# KiCad board TwoTailed.kicad_pcb (continued)
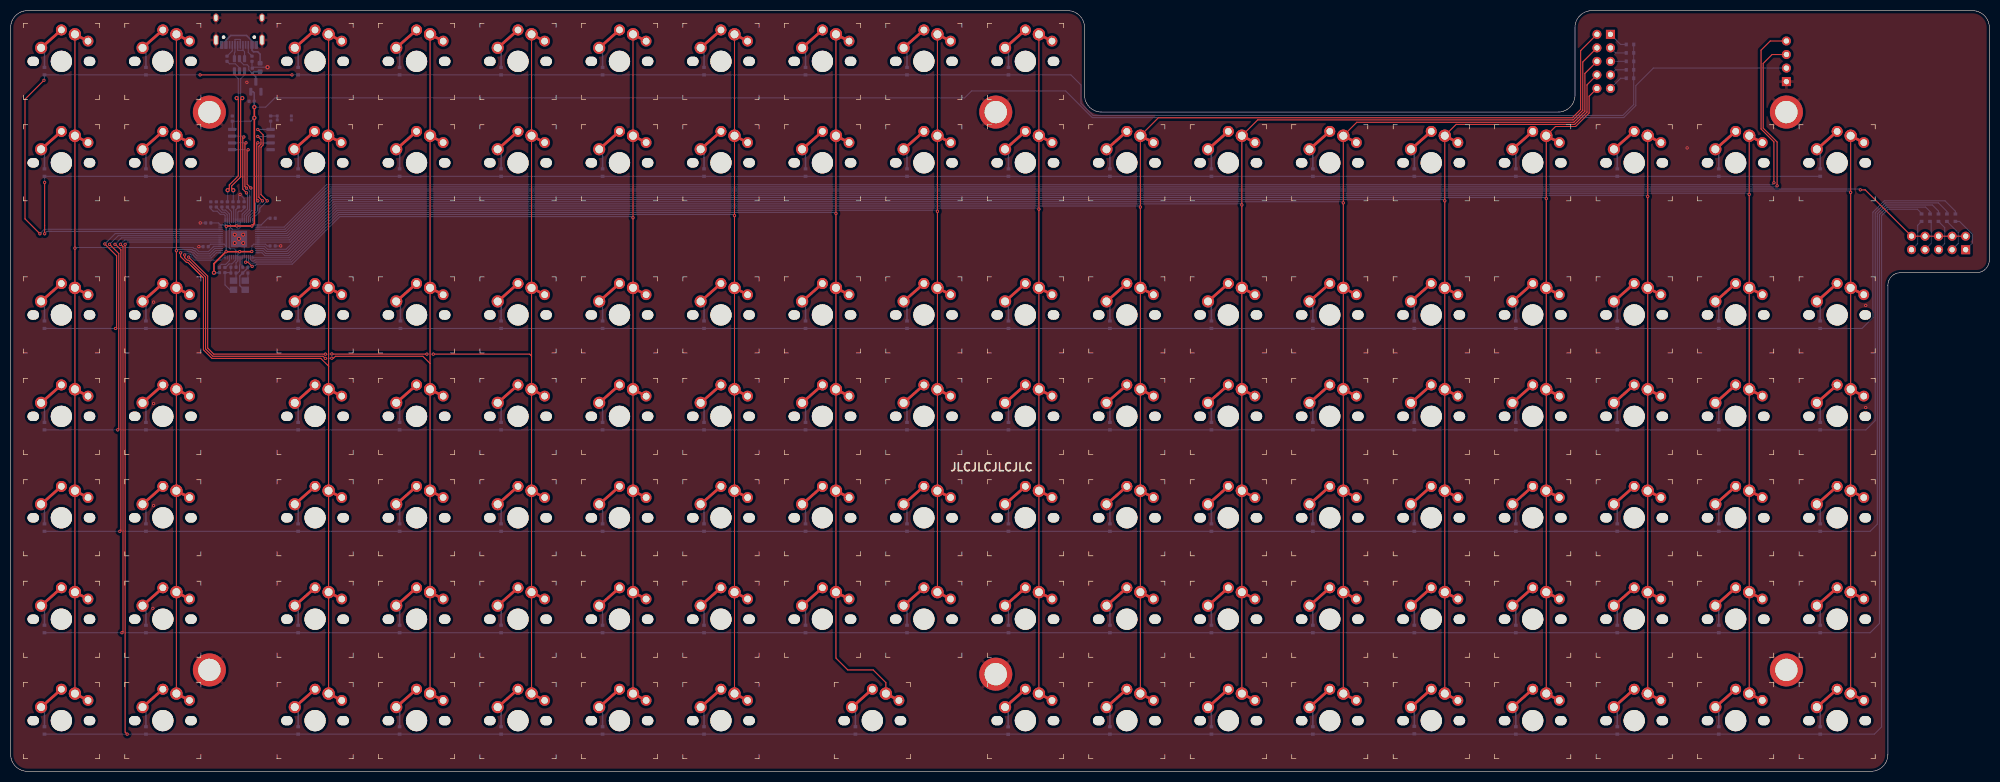
[diagram p0: board, top side]
## Nets
+1V1: C1.1 C2.1 U0.23 U0.45 U0.50
+3V3: C3.1 C4.1 C5.1 C6.1 C7.1 C8.1 C9.1 C10.1 C11.1 CF1.1 CP2.2 J2.2 RR1.1 U0.1 U0.10 U0.22 U0.33 U0.42 U0.43 U0.44 U0.48 U0.49 U1.2 U3.8
+5v: F1.1 J1.A4 J1.A9 J1.B4 J1.B9
GND: C1.2 C2.2 C3.2 C4.2 C5.2 C6.2 C7.2 C8.2 C9.2 C10.2 C11.2 CF1.2 CP1.1 CP2.1 CX1.2 CX2.1 H1.1 H2.1 H3.1 H4.1 H5.1 H6.1 J1.A1 J1.A12 J1.B1 J1.B12 J1.S1 J2.1 RC1.1 RC2.2 S1.1 U0.19 U0.57 U1.1 U2.2 U3.4 Y1.2 Y1.4
VBUS: CP1.2 F1.2 U1.3 U2.5
0: J2.4 U0.2
1: J2.3 U0.3
2: JT2.2 JT2.4 JT2.6 JT2.8 JT2.10 U0.4
3: K28.1 K46.1 K64.1 K82.1 K100.1 K117.1 U0.5
4: K27.1 K45.1 K63.1 K81.1 K99.1 K116.1 U0.6
5: K26.1 K44.1 K62.1 K80.1 K98.1 K115.1 U0.7
6: JT1.10 K25.1 K43.1 K61.1 K79.1 K97.1 K114.1 U0.8
7: JT1.8 K24.1 K42.1 K60.1 K78.1 K96.1 K113.1 U0.9
8: JT1.6 K23.1 K41.1 K59.1 K77.1 K95.1 K112.1 U0.11
9: JT1.4 K22.1 K40.1 K58.1 K76.1 K94.1 K111.1 U0.12
10: JT1.2 K21.1 K39.1 K57.1 K75.1 K93.1 K110.1 U0.13
11: K10.1 K20.1 K38.1 K56.1 K74.1 K92.1 K109.1 U0.14
12: K9.1 K19.1 K37.1 K55.1 K73.1 K91.1 U0.15
13: K8.1 K18.1 K36.1 K54.1 K72.1 K90.1 K108.1 U0.16
14: K7.1 K17.1 K35.1 K53.1 K71.1 K89.1 K107.1 U0.17
15: K6.1 K16.1 K34.1 K52.1 K70.1 K88.1 K106.1 U0.18
16: U0.27
17: K5.1 K15.1 K33.1 K51.1 K69.1 K87.1 K105.1 U0.28
18: K4.1 K14.1 K32.1 K50.1 K68.1 K86.1 K104.1 U0.29
19: K3.1 K13.1 K31.1 K49.1 K67.1 K85.1 K103.1 U0.30
20: K2.1 K12.1 K30.1 K48.1 K66.1 K84.1 K102.1 U0.31
21: K1.1 K11.1 K29.1 K47.1 K65.1 K83.1 K101.1 U0.32
22: D101.1 D102.1 D103.1 D104.1 D105.1 D106.1 D107.1 D108.1 D109.1 D110.1 D111.1 D112.1 D113.1 D114.1 D115.1 D116.1 D117.1 DT10.1 U0.34
23: D83.1 D84.1 D85.1 D86.1 D87.1 D88.1 D89.1 D90.1 D91.1 D92.1 D93.1 D94.1 D95.1 D96.1 D97.1 D98.1 D99.1 D100.1 DT9.1 U0.35
24: D65.1 D66.1 D67.1 D68.1 D69.1 D70.1 D71.1 D72.1 D73.1 D74.1 D75.1 D76.1 D77.1 D78.1 D79.1 D80.1 D81.1 D82.1 DT8.1 U0.36
25: D47.1 D48.1 D49.1 D50.1 D51.1 D52.1 D53.1 D54.1 D55.1 D56.1 D57.1 D58.1 D59.1 D60.1 D61.1 D62.1 D63.1 D64.1 DT7.1 U0.37
26/A0: D29.1 D30.1 D31.1 D32.1 D33.1 D34.1 D35.1 D36.1 D37.1 D38.1 D39.1 D40.1 D41.1 D42.1 D43.1 D44.1 D45.1 D46.1 DT6.1 U0.38
27/A1: D11.1 D12.1 D13.1 D14.1 D15.1 D16.1 D17.1 D18.1 D19.1 D20.1 D21.1 D22.1 D23.1 D24.1 D25.1 D26.1 D27.1 D28.1 U0.39
28/A2: D1.1 D2.1 D3.1 D4.1 D5.1 D6.1 D7.1 D8.1 D9.1 D10.1 DT1.1 DT2.1 DT3.1 DT4.1 DT5.1 U0.40
29/A3: U0.41
CLOCK: U0.52 U3.6
CS: RF1.1 U0.56 U3.1
D+: J1.A6 J1.B6 U2.6
D-: J1.A7 J1.B7 U2.4
DB+: RD1.1 U2.1
DB-: RD2.1 U2.3
SD0: U0.53 U3.5
SD1: U0.55 U3.2
SD2: U0.54 U3.3
SD3: U0.51 U3.7
XTAL+: CX1.1 U0.21 Y1.3
XTAL-: RX1.1 U0.20
Net-(CX2-Pad2): CX2.2 RX1.2 Y1.1
Net-(D1-Pad2): D1.2 K1.2
Net-(D2-Pad2): D2.2 K2.2
Net-(D3-Pad2): D3.2 K3.2
Net-(D4-Pad2): D4.2 K4.2
Net-(D5-Pad2): D5.2 K5.2
Net-(D6-Pad2): D6.2 K6.2
Net-(D7-Pad2): D7.2 K7.2
Net-(D8-Pad2): D8.2 K8.2
Net-(D9-Pad2): D9.2 K9.2
Net-(D10-Pad2): D10.2 K10.2
Net-(D11-Pad2): D11.2 K11.2
Net-(D12-Pad2): D12.2 K12.2
Net-(D13-Pad2): D13.2 K13.2
Net-(D14-Pad2): D14.2 K14.2
Net-(D15-Pad2): D15.2 K15.2
Net-(D16-Pad2): D16.2 K16.2
Net-(D17-Pad2): D17.2 K17.2
Net-(D18-Pad2): D18.2 K18.2
Net-(D19-Pad2): D19.2 K19.2
Net-(D20-Pad2): D20.2 K20.2
Net-(D21-Pad2): D21.2 K21.2
Net-(D22-Pad2): D22.2 K22.2
Net-(D23-Pad2): D23.2 K23.2
Net-(D24-Pad2): D24.2 K24.2
Net-(D25-Pad2): D25.2 K25.2
Net-(D26-Pad2): D26.2 K26.2
Net-(D27-Pad2): D27.2 K27.2
Net-(D28-Pad2): D28.2 K28.2
Net-(D29-Pad2): D29.2 K29.2
Net-(D30-Pad2): D30.2 K30.2
Net-(D31-Pad2): D31.2 K31.2
Net-(D32-Pad2): D32.2 K32.2
Net-(D33-Pad2): D33.2 K33.2
Net-(D34-Pad2): D34.2 K34.2
Net-(D35-Pad2): D35.2 K35.2
Net-(D36-Pad2): D36.2 K36.2
Net-(D37-Pad2): D37.2 K37.2
Net-(D38-Pad2): D38.2 K38.2
Net-(D39-Pad2): D39.2 K39.2
Net-(D40-Pad2): D40.2 K40.2
Net-(D41-Pad2): D41.2 K41.2
Net-(D42-Pad2): D42.2 K42.2
Net-(D43-Pad2): D43.2 K43.2
Net-(D44-Pad2): D44.2 K44.2
Net-(D45-Pad2): D45.2 K45.2
Net-(D46-Pad2): D46.2 K46.2
Net-(D47-Pad2): D47.2 K47.2
Net-(D48-Pad2): D48.2 K48.2
Net-(D49-Pad2): D49.2 K49.2
Net-(D50-Pad2): D50.2 K50.2
Net-(D51-Pad2): D51.2 K51.2
Net-(D52-Pad2): D52.2 K52.2
Net-(D53-Pad2): D53.2 K53.2
Net-(D54-Pad2): D54.2 K54.2
Net-(D55-Pad2): D55.2 K55.2
Net-(D56-Pad2): D56.2 K56.2
Net-(D57-Pad2): D57.2 K57.2
Net-(D58-Pad2): D58.2 K58.2
Net-(D59-Pad2): D59.2 K59.2
Net-(D60-Pad2): D60.2 K60.2
Net-(D61-Pad2): D61.2 K61.2
Net-(D62-Pad2): D62.2 K62.2
Net-(D63-Pad2): D63.2 K63.2
Net-(D64-Pad2): D64.2 K64.2
Net-(D65-Pad2): D65.2 K65.2
Net-(D66-Pad2): D66.2 K66.2
Net-(D67-Pad2): D67.2 K67.2
Net-(D68-Pad2): D68.2 K68.2
Net-(D69-Pad2): D69.2 K69.2
Net-(D70-Pad2): D70.2 K70.2
Net-(D71-Pad2): D71.2 K71.2
Net-(D72-Pad2): D72.2 K72.2
Net-(D73-Pad2): D73.2 K73.2
Net-(D74-Pad2): D74.2 K74.2
Net-(D75-Pad2): D75.2 K75.2
Net-(D76-Pad2): D76.2 K76.2
Net-(D77-Pad2): D77.2 K77.2
Net-(D78-Pad2): D78.2 K78.2
Net-(D79-Pad2): D79.2 K79.2
Net-(D80-Pad2): D80.2 K80.2
Net-(D81-Pad2): D81.2 K81.2
Net-(D82-Pad2): D82.2 K82.2
Net-(D83-Pad2): D83.2 K83.2
Net-(D84-Pad2): D84.2 K84.2
Net-(D85-Pad2): D85.2 K85.2
Net-(D86-Pad2): D86.2 K86.2
Net-(D87-Pad2): D87.2 K87.2
Net-(D88-Pad2): D88.2 K88.2
Net-(D89-Pad2): D89.2 K89.2
Net-(D90-Pad2): D90.2 K90.2
Net-(D91-Pad2): D91.2 K91.2
Net-(D92-Pad2): D92.2 K92.2
Net-(D93-Pad2): D93.2 K93.2
Net-(D94-Pad2): D94.2 K94.2
Net-(D95-Pad2): D95.2 K95.2
Net-(D96-Pad2): D96.2 K96.2
Net-(D97-Pad2): D97.2 K97.2
Net-(D98-Pad2): D98.2 K98.2
Net-(D99-Pad2): D99.2 K99.2
Net-(D100-Pad2): D100.2 K100.2
Net-(D101-Pad2): D101.2 K101.2
Net-(D102-Pad2): D102.2 K102.2
Net-(D103-Pad2): D103.2 K103.2
Net-(D104-Pad2): D104.2 K104.2
Net-(D105-Pad2): D105.2 K105.2
Net-(D106-Pad2): D106.2 K106.2
Net-(D107-Pad2): D107.2 K107.2
Net-(D108-Pad2): D108.2 K108.2
Net-(D109-Pad2): D109.2 K109.2
Net-(D110-Pad2): D110.2 K110.2
Net-(D111-Pad2): D111.2 K111.2
Net-(D112-Pad2): D112.2 K112.2
Net-(D113-Pad2): D113.2 K113.2
Net-(D114-Pad2): D114.2 K114.2
Net-(D115-Pad2): D115.2 K115.2
Net-(D116-Pad2): D116.2 K116.2
Net-(D117-Pad2): D117.2 K117.2
Net-(DT1-Pad2): DT1.2 JT1.1
Net-(DT2-Pad2): DT2.2 JT1.3
Net-(DT3-Pad2): DT3.2 JT1.5
Net-(DT4-Pad2): DT4.2 JT1.7
Net-(DT5-Pad2): DT5.2 JT1.9
Net-(DT6-Pad2): DT6.2 JT2.1
Net-(DT7-Pad2): DT7.2 JT2.3
Net-(DT8-Pad2): DT8.2 JT2.5
Net-(DT9-Pad2): DT9.2 JT2.7
Net-(DT10-Pad2): DT10.2 JT2.9
Net-(J1-PadA5): J1.A5 RC2.1
Net-(J1-PadB5): J1.B5 RC1.2
Net-(RD1-Pad2): RD1.2 U0.47
Net-(RD2-Pad2): RD2.2 U0.46
Net-(RF1-Pad2): RF1.2 S1.2
Net-(RR1-Pad2): RR1.2 U0.26

Pads without a net: J1 A8 B8; U0 24 25

## Via types
v1: diameter 0.8, hole 0.4, Top to Bottom, 13 vias
v2: diameter 0.6, hole 0.3, Top to Bottom, 75 vias

## Routing (per net, layer and track width the routed paths; a pad name or vN(x,y) marks a point on that pad's centre or on a via; arc(x,y) is an arc through that point)
+1V1: length 18
  Bottom w0.2: 41.27,102.1 41.54,101.84 42.76,101.84 43.06,102.14 U0.50 ; 41.27,102.1 41.04,101.87 41.04,98.32 41.22,98.13 42.04,98.13 42.26,97.91 U0.23 42.26,96.04 41.53,95.31 41.01,95.31 40.34,94.64 C2.1 ; 41.27,102.1 41.27,102.71 41.06,102.92 U0.45 41.06,104.71 40.36,105.41 39.85,105.41 39.65,105.61 C1.1
+3V3: length 387.3
  Top w0.2: 42.09,102.43 42.45,102.43 v2(42.46,102.44)
  Top w0.3: v2(45.27,97.64) 45.25,97.61 43.02,97.61 v2(43,97.6) v2(40.45,97.6) ; v1(38.17,93.65) 38.17,95.35 40.42,97.6 ; v2(40.48,102.36) 40.48,102.37 40.53,102.43 v2(45.28,102.43) 45.75,102.89 v1(45.75,122.75) v1(45.75,124.75)
  Bottom w0.2: 40.48,98.61 40.08,99.01 U0.33 37.55,99.01 C4.1 ; 40.48,102.37 40.26,102.59 U0.43 40.26,104.39 40.03,104.62 39.36,104.62 38.77,105.21 38.02,105.21 37.57,105.66 C6.1 ; 40.48,102.37 40.24,102.61 U0.42 39.04,103 C5.1 ; 40.48,102.37 40.66,102.55 U0.44 40.66,104.54 40.19,105.01 39.6,105.01 C7.1 ; C10.1 43.82,105.73 43.32,105.22 42.83,105.22 42.66,105.05 42.66,102.63 v2(42.46,102.44) 42.26,102.64 U0.48 42.26,103.64 42.26,105.49 C9.1 ; v2(45.28,102.43) 45.47,102.61 U0.1 47.02,102.61 48.29,103.89 C8.1 ; v2(43,97.6) 42.66,97.26 U0.22 42.66,95.88 42.31,95.53 C11.1 ; v1(45.75,124.75) 47.87,124.75 49.62,126.49 179.1,126.49 180.4,127.79 198.06,127.79 203.07,122.79 302.84,122.79 305.11,125.06 305.11,128.8 308.4,132.09 J2.2 ; v1(45.75,122.75) 45.11,122.12 CF1.1 41.61,120.59 U3.8 ; C3.1 48.16,98.68 47.83,99.01 U0.10 45.63,99.01 45.27,98.66 v2(45.27,97.64)
  Bottom w0.3: v1(45.75,124.75) 45.73,124.77 CP2.2 45.73,127.44 45.52,127.65 U1.2 ; RR1.1 39.17,93.65 v1(38.17,93.65) ; v2(40.48,102.36) 40.48,97.63 v2(40.45,97.6)
+5v: length 11.8
  Bottom w0.3: F1.1 46.83,134.71 46.39,135.15 45.59,135.15 45.31,135.42 J1.A9 45.31,137.18 44.28,138.21 41.32,138.21 40.7,137.59 40.7,137.59 40.41,137.31 J1.A4
GND: length 24.5
  Bottom w0.2: U0.19 43.86,99.01 v1(43.66,99.22) ; C9.2 42.78,108.06 v2(43.07,108.35) 43.82,107.59 C10.2 ; RC1.1 45.31,132.12 CP1.1 45.56,132.25 v1(48.23,132.25) ; C4.2 v2(35.34,98.55) ; C3.2 v2(50.7,98.68) ; 41.34,94.69 CX1.2 41.26,93.67 40.25,93.67 40.25,91.36 41.15,90.46 41.84,90.46 ; C5.2 v2(35.59,103) ; CX2.1 44.54,92.67 44.04,92.16 ; U2.2 42.96,132.12 42.19,132.89 41.08,132.89 RC2.2
  vias: v1(42.07,100.81) v1(42.07,99.22) v1(42.86,100.01) v1(43.66,100.81) v2(26.7,30.61) v2(26.83,88.14) v2(26.83,69.09) v2(26.83,49.91) v2(44.35,129.41) v2(314.74,117.09) v2(348.27,87.5) v2(348.27,68.33)
VBUS: length 7.6
  Bottom w0.2: CP1.2 44.71,131.75 44.71,132.4 44.4,132.71 43.75,132.71 42.96,133.5 U2.5
  Bottom w0.3: U1.3 46.04,130.42 CP1.2 45.7,131.42 F1.2
0: length 319.6
  Top w0.2: J2.4 330.34,137.17 328.61,135.44 328.61,120.65 331.03,118.23 v2(331.03,110.55)
  Bottom w0.2: v2(331.03,110.55) 331.03,110.53 330.69,110.18 59.3,110.18 51.33,102.21 U0.2
1: length 317.8
  Top w0.2: J2.3 330.69,134.63 329.01,132.96 329.01,120.82 331.63,118.2 v2(331.63,109.98)
  Bottom w0.2: U0.3 51.5,101.81 59.46,109.78 331.43,109.78 v2(331.63,109.98)
2: length 327.7
  Top w0.2: v2(347.25,109.22) 348.16,109.22 JT2.10 JT2.2
  Bottom w0.2: U0.4 51.66,101.41 59.63,109.38 347.09,109.38 v2(347.25,109.22)
3: length 407.3
  Top w0.2: K28.1 v2(345.44,108.74) K117.1
  Bottom w0.2: v2(345.44,108.74) 345.2,108.98 59.8,108.98 51.83,101.01 U0.5
4: length 388.3
  Top w0.2: K116.1 v2(326.39,108.36) K27.1
  Bottom w0.2: U0.6 51.99,100.61 59.96,108.58 326.17,108.58 v2(326.39,108.36)
5: length 369.2
  Top w0.2: K26.1 v2(307.34,107.98) K115.1
  Bottom w0.2: v2(307.34,107.98) 307.14,108.18 60.13,108.18 52.16,100.21 U0.7
6: length 365.2
  Top w0.2: K114.1 K25.1 290.03,121.12 293.8,121.12 296.34,123.66 296.34,126.8 JT1.10
  Bottom w0.2: v2(288.29,107.58) 288.09,107.78 60.29,107.78 52.32,99.81 U0.8
7: length 367.4
  Top w0.2: JT1.8 295.94,128.94 295.94,123.83 293.63,121.52 271.38,121.52 K24.1 v2(269.24,107.16) K113.1
  Bottom w0.2: v2(269.24,107.16) 269.01,107.38 60.46,107.38 52.49,99.41 U0.9
8: length 370.2
  Top w0.2: K112.1 v2(250.19,106.78) K23.1 252.73,121.92 293.47,121.92 295.54,123.99 295.54,131.08 JT1.6
  Bottom w0.2: v2(250.19,106.78) 249.98,106.99 60.62,106.99 51.7,98.06 48.22,98.06 47.67,98.61 U0.11
9: length 372.4
  Top w0.2: K111.1 K22.1 234.12,122.36 293.34,122.36 295.14,124.16 295.14,133.22 JT1.4
  Bottom w0.2: v2(231.14,106.39) 230.94,106.59 60.79,106.59 51.86,97.66 48.05,97.66 47.5,98.21 U0.12
10: length 374.6
  Top w0.2: JT1.2 294.74,135.36 294.74,124.32 293.18,122.76 215.47,122.76 K21.1 K110.1
  Bottom w0.2: v2(212.09,105.99) 211.89,106.19 60.95,106.19 52.03,97.26 47.89,97.26 47.34,97.81 U0.13
11: length 274.6
  Top w0.2: K109.1 K10.1
  Bottom w0.2: v2(193.04,105.59) 192.84,105.79 61.12,105.79 52.19,96.86 47.72,96.86 47.17,97.41 U0.14
12: length 237.1
  Top w0.2: K9.1 173.99,33.66
  Bottom w0.2: U0.15 45.58,96.46 52.36,96.46 61.29,105.39 173.79,105.39 v2(173.99,105.19)
13: length 244.9
  Top w0.2: K8.1 154.94,21.27 157.16,19.05 161.93,19.05 164.31,16.67 K108.1
  Bottom w0.2: U0.16 45.06,96.04 45.27,95.84 45.66,95.84 45.88,96.06 52.52,96.06 61.45,104.99 154.74,104.99 v2(154.94,104.79)
14: length 219.8
  Top w0.2: K7.1 K107.1
  Bottom w0.2: v2(135.89,104.39) 135.69,104.59 61.62,104.59 52.69,95.66 46.05,95.66 45.82,95.44 45.1,95.44 44.66,95.88 U0.17
15: length 202.1
  Top w0.2: v2(44.1,95.63) 44.54,95.63 v2(45.34,94.84) ; K106.1 K6.1
  Bottom w0.2: v2(44.1,95.63) 44.26,95.79 U0.18 ; 45.41,95.04 45.34,94.96 v2(45.34,94.84) 45.54,95.04 45.99,95.04 46.21,95.26 52.86,95.26 61.78,104.19 116.64,104.19 v2(116.84,103.99)
17: length 211.2
  Top w0.2: 97.79,77.95 K5.1 ; 97.79,77.95 K105.1 ; 97.79,77.95 97.79,78.01 97.44,78.36 v2(79.34,78.36) ; v2(60.29,78.4) 60.33,78.36 v2(78.14,78.36) ; v2(59.09,78.36) 38.13,78.36 36.99,79.5 36.99,93.01 v2(33.41,96.59)
  Bottom w0.2: U0.28 40.25,96.59 40.09,96.59 39.51,96.01 34.58,96.01 34,96.59 v2(33.41,96.59) ; v2(79.34,78.36) v2(78.14,78.36) ; v2(59.09,78.36) 60.25,78.36 v2(60.29,78.4)
18: length 194.5
  Top w0.2: 78.74,76.61 K4.1 ; 78.74,76.61 K104.1 ; 78.74,76.61 77.39,77.96 60.97,77.96 60.61,77.6 v2(60.29,77.6) ; v2(32.67,96.99) 32.67,96.49 33.16,95.99 33.45,95.99 36.59,92.85 36.59,79.34 37.97,77.96 58.64,77.96 59.04,77.56 v2(59.09,77.56)
  Bottom w0.2: v2(32.67,96.99) 32.87,97.19 33.66,97.19 33.86,96.99 34.25,96.99 34.83,96.41 37.64,96.41 38.21,96.98 38.21,96.99 38.63,97.41 U0.29 ; v2(59.09,77.56) 59.12,77.6 v2(60.29,77.6)
19: length 180.1
  Top w0.2: 59.69,76.04 K103.1 ; 59.69,76.04 K3.1 ; 59.69,76.04 59.69,76.1 58.23,77.56 37.8,77.56 36.19,79.17 36.19,92.68 34.04,94.84 ; 34.04,94.84 36.1,92.77 ; 34.04,94.84 33.28,95.59 33,95.59 31.91,96.68 v2(31.91,97.39)
  Bottom w0.2: v2(31.91,97.39) 32.11,97.59 33.89,97.59 34.09,97.39 34.42,97.39 35,96.81 37.48,96.81 37.48,96.82 38.47,97.81 U0.30
20: length 133
  Top w0.2: K102.1 K2.1
  Bottom w0.2: U0.31 38.3,98.21 37.3,97.21 35.16,97.21 34.58,97.79 34.25,97.79 34.05,97.99 31.31,97.99 v2(31.12,97.79)
21: length 152
  Top w0.2: K101.1 v2(12.06,98.27) K1.1
  Bottom w0.2: v2(12.06,98.27) 12.19,98.39 34.25,98.39 34.45,98.19 34.75,98.19 35.33,97.61 37.13,97.61 38.14,98.61 U0.32
22: length 560.2
  Top w0.2: v2(21.88,6.99) 21.49,7.37 v2(21.49,98.99)
  Bottom w0.2: D101.1 D117.1 349.88,6.99 351.24,8.34 351.24,104.39 352.42,105.57 357.98,105.57 358.75,104.8 DT10.1 ; U0.34 21.92,99.41 v2(21.49,98.99)
23: length 525.3
  Top w0.2: v2(20.9,26.04) 21.1,26.23 21.1,98.54 20.65,98.99 v2(20.61,98.99)
  Bottom w0.2: v2(20.61,98.99) 21.43,99.81 U0.35 ; DT9.1 360.34,105.15 359.52,105.97 352.26,105.97 350.84,104.55 350.84,27.79 349.09,26.04 D100.1 D83.1
24: length 490.9
  Top w0.2: v2(19.59,98.99) 19.66,98.99 20.7,97.95 20.7,45.28 v2(20.5,45.09)
  Bottom w0.2: DT8.1 361.92,105.23 360.78,106.37 352.09,106.37 350.44,104.72 350.44,104.25 350.44,46.44 349.09,45.09 D82.1 D65.1 ; U0.36 20.81,100.21 v2(19.59,98.99)
25: length 456
  Top w0.2: v2(20.1,64.14) 20.3,64.33 20.3,97.27 v2(18.57,98.99)
  Bottom w0.2: DT7.1 363.51,105.16 361.91,106.77 351.93,106.77 350.04,104.88 350.04,65.88 348.3,64.14 D64.1 D47.1 ; v2(18.57,98.99) 20.2,100.61 U0.37
26/A0: length 421
  Top w0.2: v2(17.68,99.06) 17.68,99.03 19.9,96.82 19.9,83.38 v2(19.7,83.19)
  Bottom w0.2: U0.38 19.64,101.01 v2(17.68,99.06) ; 6.35,83.19 347.57,83.19 349.61,85.22 349.61,105.01 351.76,107.17 363.15,107.17 365.1,105.21 DT6.1
27/A1: length 378.3
  Top w0.2: v2(6.38,100.97) v2(6.38,110.62)
  Bottom w0.2: U0.39 7.72,101.41 ; 7.72,101.41 6.83,101.41 v2(6.38,100.97) ; 7.72,101.41 6.82,101.41 ; D28.1 D11.1 6.38,111.73 v2(6.38,110.62)
28/A2: length 382.5
  Top w0.2: v2(6.25,129.79) 2.7,126.24 2.7,103.76 v2(5.49,100.97) ; v2(52.82,130.81) v2(35.56,130.81)
  Bottom w0.2: U0.40 6.34,101.81 v2(5.49,100.97) ; v2(52.82,130.81) D3.1 D10.1 199.04,130.81 200.95,128.91 200.95,125.48 203.23,123.19 302.67,123.19 304.71,125.22 DT5.1 DT1.1 ; v2(35.56,130.81) D2.1 D1.1 6.35,129.89 v2(6.25,129.79)
CLOCK: length 18.1
  Top w0.2: v2(44.27,109.55) 43.98,109.84 43.98,117.85 v2(44.18,118.05)
  Bottom w0.2: U3.6 41.61,118.05 v2(44.18,118.05) ; U0.52 43.86,104.48 44.87,105.48 44.87,108.95 v2(44.27,109.55)
CS: length 23.3
  Top w0.2: v2(46.4,120.55) 47.4,119.55 47.4,117.64 47,117.24 47,108.32 v2(48.17,107.15)
  Bottom w0.2: v2(46.4,120.55) 46.42,120.58 U3.1 48.81,120.59 RF1.1 ; v2(48.17,107.15) 46.77,105.75 46.77,105.12 45.46,103.82 U0.56
D+: length 4.7
  Bottom w0.2: 43.61,135.47 43.91,135.18 U2.6 ; 43.61,135.47 43.56,135.42 42.66,135.42 42.61,135.47 J1.A6 ; 43.61,135.47 J1.B6
D-: length 5.6
  Bottom w0.2: U2.4 42.01,135 42.11,135.1 J1.B7 42.11,137.42 42.16,137.47 43.06,137.47 43.11,137.42 J1.A7
DB+: length 26
  Top w0.2: v1(43.48,126.45) 43.18,126.15 43.18,111.65 41.49,109.96 41.49,109.45 v1(41.79,109.15)
  Bottom w0.2: v1(43.48,126.45) 43.18,126.75 43.18,130.08 43.86,130.75 43.86,131.53 U2.1 ; v1(41.79,109.15) 41.79,107.03 RD1.1
DB-: length 26
  Top w0.2: v1(42.43,126.45) 42.73,126.15 42.73,111.83 41.04,110.14 41.04,109.45 v1(40.74,109.15)
  Bottom w0.2: RD2.1 40.74,107.02 v1(40.74,109.15) ; U2.3 42.06,131.53 42.06,130.75 42.73,130.08 42.73,126.75 v1(42.43,126.45)
SD0: length 17.2
  Top w0.2: v2(44.58,116.75) 44.38,116.55 44.38,110.29 v2(45.09,109.57)
  Bottom w0.2: U3.5 44.57,116.77 v2(44.58,116.75) ; U0.53 44.26,104.31 45.27,105.32 45.27,109.4 v2(45.09,109.57)
SD1: length 19.8
  Top w0.2: v2(47.27,107.15) 46.6,107.82 46.6,117.4 47,117.8 47,118.65 v2(46.4,119.25)
  Bottom w0.2: v2(46.4,119.25) 48.74,119.25 U3.2 ; v2(47.27,107.15) 46.37,106.25 46.37,105.29 45.06,103.98 U0.55
SD2: length 17.9
  Top w0.2: v2(46.4,107.15) 46.2,107.35 46.2,117.85 v2(46.4,118.05)
  Bottom w0.2: v2(46.4,107.15) 45.97,106.72 45.97,105.45 44.66,104.15 U0.54 ; v2(46.4,118.05) 46.41,118.04 U3.3
SD3: length 18.8
  Top w0.2: v2(43.78,119.15) 43.77,119.15 43.58,118.96 43.58,109.34 v2(44.27,108.65)
  Bottom w0.2: v2(43.78,119.15) 43.63,119.31 U3.7 ; U0.51 43.46,104.64 44.47,105.65 44.47,108.45 v2(44.27,108.65)
XTAL+: length 5.1
  Bottom w0.2: 41.84,92.16 42.31,92.63 CX1.1 42.62,93.6 42.97,93.95 42.97,95.04 43.06,95.13 U0.21
XTAL-: length 1.9
  Bottom w0.2: RX1.1 43.46,94.8 U0.20
Net-(CX2-Pad2): length 5.4
  Bottom w0.25: 44.04,90.46 43.79,90.46 43.01,91.24 43.01,93.04 CX2.2 43.57,93.62 44.54,94.59 RX1.2
Net-(D1-Pad2): length 3.9
  Bottom w0.3: D1.2 6.35,135.25 K1.2
Net-(D2-Pad2): length 3.9
  Bottom w0.3: K2.2 25.4,135.25 D2.2
Net-(D3-Pad2): length 3.9
  Bottom w0.3: K3.2 53.98,135.25 D3.2
Net-(D4-Pad2): length 3.9
  Bottom w0.3: D4.2 73.03,135.25 K4.2
Net-(D5-Pad2): length 3.9
  Bottom w0.3: K5.2 92.07,135.25 D5.2
Net-(D6-Pad2): length 3.9
  Bottom w0.3: D6.2 111.12,135.25 K6.2
Net-(D7-Pad2): length 3.9
  Bottom w0.3: K7.2 130.18,135.25 D7.2
Net-(D8-Pad2): length 3.9
  Bottom w0.3: K8.2 149.22,135.25 D8.2
Net-(D9-Pad2): length 3.9
  Bottom w0.3: K9.2 168.28,135.25 D9.2
Net-(D10-Pad2): length 3.9
  Bottom w0.3: K10.2 187.33,135.25 D10.2
Net-(D11-Pad2): length 3.9
  Bottom w0.3: D11.2 6.35,116.21 K11.2
Net-(D12-Pad2): length 3.9
  Bottom w0.3: K12.2 25.4,116.21 D12.2
Net-(D13-Pad2): length 4
  Bottom w0.3: K13.2 53.98,116.11 D13.2
Net-(D14-Pad2): length 3.9
  Bottom w0.3: K14.2 73.03,116.21 D14.2
Net-(D15-Pad2): length 3.9
  Bottom w0.3: K15.2 92.07,116.21 D15.2
Net-(D16-Pad2): length 3.9
  Bottom w0.3: K16.2 111.12,116.21 D16.2
Net-(D17-Pad2): length 3.9
  Bottom w0.3: D17.2 130.18,116.21 K17.2
Net-(D18-Pad2): length 3.9
  Bottom w0.3: K18.2 149.22,116.21 D18.2
Net-(D19-Pad2): length 3.9
  Bottom w0.3: D19.2 168.28,116.21 K19.2
Net-(D20-Pad2): length 3.9
  Bottom w0.3: K20.2 187.33,116.21 D20.2
Net-(D21-Pad2): length 3.9
  Bottom w0.3: D21.2 206.38,116.21 K21.2
Net-(D22-Pad2): length 3.9
  Bottom w0.3: D22.2 225.42,116.21 K22.2
Net-(D23-Pad2): length 3.9
  Bottom w0.3: K23.2 244.47,116.21 D23.2
Net-(D24-Pad2): length 3.9
  Bottom w0.3: D24.2 263.52,116.21 K24.2
Net-(D25-Pad2): length 3.9
  Bottom w0.3: D25.2 282.57,116.21 K25.2
Net-(D26-Pad2): length 3.9
  Bottom w0.3: D26.2 301.62,116.21 K26.2
Net-(D27-Pad2): length 3.9
  Bottom w0.3: K27.2 320.67,116.21 D27.2
Net-(D28-Pad2): length 3.9
  Bottom w0.3: K28.2 339.72,116.21 D28.2
Net-(D29-Pad2): length 3.9
  Bottom w0.3: D29.2 6.35,87.63 K29.2
Net-(D30-Pad2): length 3.9
  Bottom w0.3: D30.2 25.4,87.63 K30.2
Net-(D31-Pad2): length 3.9
  Bottom w0.3: K31.2 53.98,87.63 D31.2
Net-(D32-Pad2): length 4
  Bottom w0.3: D32.2 73.18,87.47 K32.2
Net-(D33-Pad2): length 3.9
  Bottom w0.3: K33.2 92.07,87.63 D33.2
Net-(D34-Pad2): length 3.9
  Bottom w0.3: K34.2 111.12,87.63 D34.2
Net-(D35-Pad2): length 3.9
  Bottom w0.3: D35.2 130.18,87.63 K35.2
Net-(D36-Pad2): length 3.9
  Bottom w0.3: K36.2 149.22,87.63 D36.2
Net-(D37-Pad2): length 3.9
  Bottom w0.3: K37.2 168.28,87.63 D37.2
Net-(D38-Pad2): length 3.9
  Bottom w0.3: K38.2 187.33,87.63 D38.2
Net-(D39-Pad2): length 3.9
  Bottom w0.3: D39.2 206.38,87.63 K39.2
Net-(D40-Pad2): length 3.9
  Bottom w0.3: D40.2 225.42,87.63 K40.2
Net-(D41-Pad2): length 3.9
  Bottom w0.3: D41.2 244.47,87.63 K41.2
Net-(D42-Pad2): length 3.9
  Bottom w0.3: K42.2 263.52,87.63 D42.2
Net-(D43-Pad2): length 3.9
  Bottom w0.3: K43.2 282.57,87.63 D43.2
Net-(D44-Pad2): length 3.9
  Bottom w0.3: K44.2 301.62,87.63 D44.2
Net-(D45-Pad2): length 3.9
  Bottom w0.3: K45.2 320.67,87.63 D45.2
Net-(D46-Pad2): length 3.9
  Bottom w0.3: K46.2 339.72,87.63 D46.2
Net-(D47-Pad2): length 3.9
  Bottom w0.3: D47.2 6.35,68.58 K47.2
Net-(D48-Pad2): length 3.9
  Bottom w0.3: K48.2 25.4,68.58 D48.2
Net-(D49-Pad2): length 3.9
  Bottom w0.3: D49.2 53.98,68.58 K49.2
Net-(D50-Pad2): length 3.9
  Bottom w0.3: K50.2 73.03,68.58 D50.2
Net-(D51-Pad2): length 3.9
  Bottom w0.3: K51.2 92.07,68.58 D51.2
Net-(D52-Pad2): length 3.9
  Bottom w0.3: D52.2 111.12,68.58 K52.2
Net-(D53-Pad2): length 3.9
  Bottom w0.3: K53.2 130.18,68.58 D53.2
Net-(D54-Pad2): length 3.9
  Bottom w0.3: D54.2 149.22,68.58 K54.2
Net-(D55-Pad2): length 3.9
  Bottom w0.3: D55.2 168.28,68.58 K55.2
Net-(D56-Pad2): length 3.9
  Bottom w0.3: D56.2 187.33,68.58 K56.2
Net-(D57-Pad2): length 3.9
  Bottom w0.3: K57.2 206.38,68.58 D57.2
Net-(D58-Pad2): length 3.9
  Bottom w0.3: D58.2 225.42,68.58 K58.2
Net-(D59-Pad2): length 3.9
  Bottom w0.3: K59.2 244.47,68.58 D59.2
Net-(D60-Pad2): length 3.9
  Bottom w0.3: D60.2 263.52,68.58 K60.2
Net-(D61-Pad2): length 3.9
  Bottom w0.3: K61.2 282.57,68.58 D61.2
Net-(D62-Pad2): length 3.9
  Bottom w0.3: K62.2 301.62,68.58 D62.2
Net-(D63-Pad2): length 3.9
  Bottom w0.3: D63.2 320.67,68.58 K63.2
Net-(D64-Pad2): length 3.9
  Bottom w0.3: D64.2 339.72,68.58 K64.2
Net-(D65-Pad2): length 3.9
  Bottom w0.3: 5.71,50.17 6.35,49.53 D65.2
Net-(D66-Pad2): length 3.9
  Bottom w0.3: D66.2 25.4,49.53 24.77,50.17
Net-(D67-Pad2): length 3.9
  Bottom w0.3: D67.2 53.98,49.53 53.34,50.17
Net-(D68-Pad2): length 3.9
  Bottom w0.3: 72.39,50.17 73.03,49.53 D68.2
Net-(D69-Pad2): length 3.9
  Bottom w0.3: D69.2 92.07,49.53 91.44,50.17
Net-(D70-Pad2): length 3.9
  Bottom w0.3: 110.49,50.17 111.12,49.53 D70.2
Net-(D71-Pad2): length 3.9
  Bottom w0.3: 129.54,50.17 130.18,49.53 D71.2
Net-(D72-Pad2): length 3.9
  Bottom w0.3: 148.59,50.17 149.22,49.53 D72.2
Net-(D73-Pad2): length 3.9
  Bottom w0.3: D73.2 168.28,49.53 167.64,50.17
Net-(D74-Pad2): length 3.9
  Bottom w0.3: D74.2 187.33,49.53 186.69,50.17
Net-(D75-Pad2): length 3.9
  Bottom w0.3: D75.2 206.38,49.53 205.74,50.17
Net-(D76-Pad2): length 3.9
  Bottom w0.3: D76.2 225.42,49.53 224.79,50.17
Net-(D77-Pad2): length 3.9
  Bottom w0.3: 243.84,50.17 244.47,49.53 D77.2
Net-(D78-Pad2): length 3.9
  Bottom w0.3: D78.2 263.52,49.53 262.89,50.17
Net-(D79-Pad2): length 3.9
  Bottom w0.3: 281.94,50.17 282.57,49.53 D79.2
Net-(D80-Pad2): length 3.9
  Bottom w0.3: 300.99,50.17 301.62,49.53 D80.2
Net-(D81-Pad2): length 3.9
  Bottom w0.3: 320.04,50.17 320.67,49.53 D81.2
Net-(D82-Pad2): length 3.9
  Bottom w0.3: D82.2 339.72,49.53 339.09,50.17
Net-(D83-Pad2): length 3.9
  Bottom w0.3: K83.2 6.35,30.48 D83.2
Net-(D84-Pad2): length 3.9
  Bottom w0.3: D84.2 25.4,30.48 K84.2
Net-(D85-Pad2): length 3.9
  Bottom w0.3: D85.2 53.98,30.48 K85.2
Net-(D86-Pad2): length 3.9
  Bottom w0.3: D86.2 73.03,30.48 K86.2
Net-(D87-Pad2): length 3.9
  Bottom w0.3: K87.2 92.07,30.48 D87.2
Net-(D88-Pad2): length 3.9
  Bottom w0.3: K88.2 111.12,30.48 D88.2
Net-(D89-Pad2): length 3.9
  Bottom w0.3: D89.2 130.18,30.48 K89.2
Net-(D90-Pad2): length 3.9
  Bottom w0.3: D90.2 149.22,30.48 K90.2
Net-(D91-Pad2): length 3.9
  Bottom w0.3: K91.2 168.28,30.48 D91.2
Net-(D92-Pad2): length 3.9
  Bottom w0.3: D92.2 187.33,30.48 K92.2
Net-(D93-Pad2): length 3.9
  Bottom w0.3: K93.2 206.38,30.48 D93.2
Net-(D94-Pad2): length 3.9
  Bottom w0.3: D94.2 225.42,30.48 K94.2
Net-(D95-Pad2): length 3.9
  Bottom w0.3: D95.2 244.47,30.48 K95.2
Net-(D96-Pad2): length 3.9
  Bottom w0.3: K96.2 263.52,30.48 D96.2
Net-(D97-Pad2): length 3.9
  Bottom w0.3: D97.2 282.57,30.48 K97.2
Net-(D98-Pad2): length 3.9
  Bottom w0.3: K98.2 301.62,30.48 D98.2
Net-(D99-Pad2): length 3.9
  Bottom w0.3: K99.2 320.67,30.48 D99.2
Net-(D100-Pad2): length 3.9
  Bottom w0.3: K100.2 339.72,30.48 D100.2
Net-(D101-Pad2): length 3.9
  Bottom w0.3: K101.2 6.35,11.43 6.35,8.39
Net-(D102-Pad2): length 3.9
  Bottom w0.3: 25.4,8.39 25.4,11.43 K102.2
Net-(D103-Pad2): length 3.9
  Bottom w0.3: 53.98,8.39 53.98,11.43 K103.2
Net-(D104-Pad2): length 3.9
  Bottom w0.3: 73.03,8.39 73.03,11.43 K104.2
Net-(D105-Pad2): length 3.9
  Bottom w0.3: K105.2 92.07,11.43 92.07,8.39
Net-(D106-Pad2): length 3.9
  Bottom w0.3: K106.2 111.12,11.43 111.12,8.39
Net-(D107-Pad2): length 3.9
  Bottom w0.3: K107.2 130.18,11.43 130.18,8.39
Net-(D108-Pad2): length 3.9
  Bottom w0.3: K108.2 158.59,11.43 158.59,8.39
Net-(D109-Pad2): length 4
  Bottom w0.3: K109.2 187.27,11.49 D109.2
Net-(D110-Pad2): length 3.9
  Bottom w0.3: 206.38,8.39 206.38,11.43 K110.2
Net-(D111-Pad2): length 3.9
  Bottom w0.3: K111.2 225.42,11.43 225.42,8.39
Net-(D112-Pad2): length 3.9
  Bottom w0.3: 244.47,8.39 244.47,11.43 K112.2
Net-(D113-Pad2): length 3.9
  Bottom w0.3: D113.2 263.52,11.44 K113.2
Net-(D114-Pad2): length 3.9
  Bottom w0.3: 282.57,8.39 282.57,11.43 K114.2
Net-(D115-Pad2): length 3.9
  Bottom w0.3: 301.62,8.39 301.62,11.43 K115.2
Net-(D116-Pad2): length 3.9
  Bottom w0.3: 320.67,8.39 320.67,11.43 K116.2
Net-(D117-Pad2): length 3.9
  Bottom w0.3: K117.2 339.72,11.43 339.72,8.39
Net-(DT1-Pad2): length 3.7
  Bottom w0.2: JT1.1 302.24,136.53 DT1.2
Net-(DT2-Pad2): length 3.4
  Bottom w0.2: JT1.3 301.29,134.94 DT2.2
Net-(DT3-Pad2): length 3
  Bottom w0.2: JT1.5 300.35,133.35 DT3.2
Net-(DT4-Pad2): length 3.4
  Bottom w0.2: JT1.7 301.3,131.76 DT4.2
Net-(DT5-Pad2): length 3.8
  Bottom w0.2: JT1.9 302.25,130.18 DT5.2
Net-(DT6-Pad2): length 7.6
  Bottom w0.2: DT6.2 365.88,103.29 368.3,100.87 368.3,99.25 JT2.1
Net-(DT7-Pad2): length 6.7
  Bottom w0.2: JT2.3 365.63,99.12 365.63,101.17 DT7.2
Net-(DT8-Pad2): length 6.3
  Bottom w0.2: JT2.5 363.09,99.12 363.09,102.12 DT8.2
Net-(DT9-Pad2): length 5.9
  Bottom w0.2: DT9.2 360.55,103.07 360.55,99.12 JT2.7
Net-(DT10-Pad2): length 6.1
  Bottom w0.2: DT10.2 358.01,102.55 358.01,99.12 JT2.9
Net-(J1-PadA5): length 2.5
  Bottom w0.2: J1.A5 41.61,135.32 RC2.1
Net-(J1-PadB5): length 2.4
  Bottom w0.2: RC1.2 44.61,135.02 J1.B5
Net-(RD1-Pad2): length 2.6
  Bottom w0.2: U0.47 41.86,105.88 RD1.2
Net-(RD2-Pad2): length 2.9
  Bottom w0.2: U0.46 41.46,105.14 40.69,105.91 RD2.2
Net-(RF1-Pad2): length 2
  Bottom w0.2: S1.2 S1.2 RF1.2
Net-(RR1-Pad2): length 3.2
  Bottom w0.2: RR1.2 39.19,94.87 39.55,95.23 40.37,95.23 41.06,95.93 U0.26

## Copper pours and planes (outline as drawn; the poured copper is in the pictures)
GND on Top: 371.47,0 0,0 0,142.88 371.47,142.88
GND on Bottom: 0,0 371.47,0 371.47,142.88 0,142.88

## Text on the board
B.Silkscreen: USB BOOT
F.Fab: K3 | Keyswitch | K19 | K4 | K20
F.Silkscreen: JLCJLCJLCJLC
